# Altium PCB bg_pcb.PcbDoc (part 1 of 2)
Units mil, origin at the board's own origin, x right, y up, seen from the top; angles counter-clockwise.
Board outline 3622.05 x 3405.51 mil, 2 copper layers (Top Layer, Bottom Layer); 165 components, 111 nets, 496 pads, 392 vias.
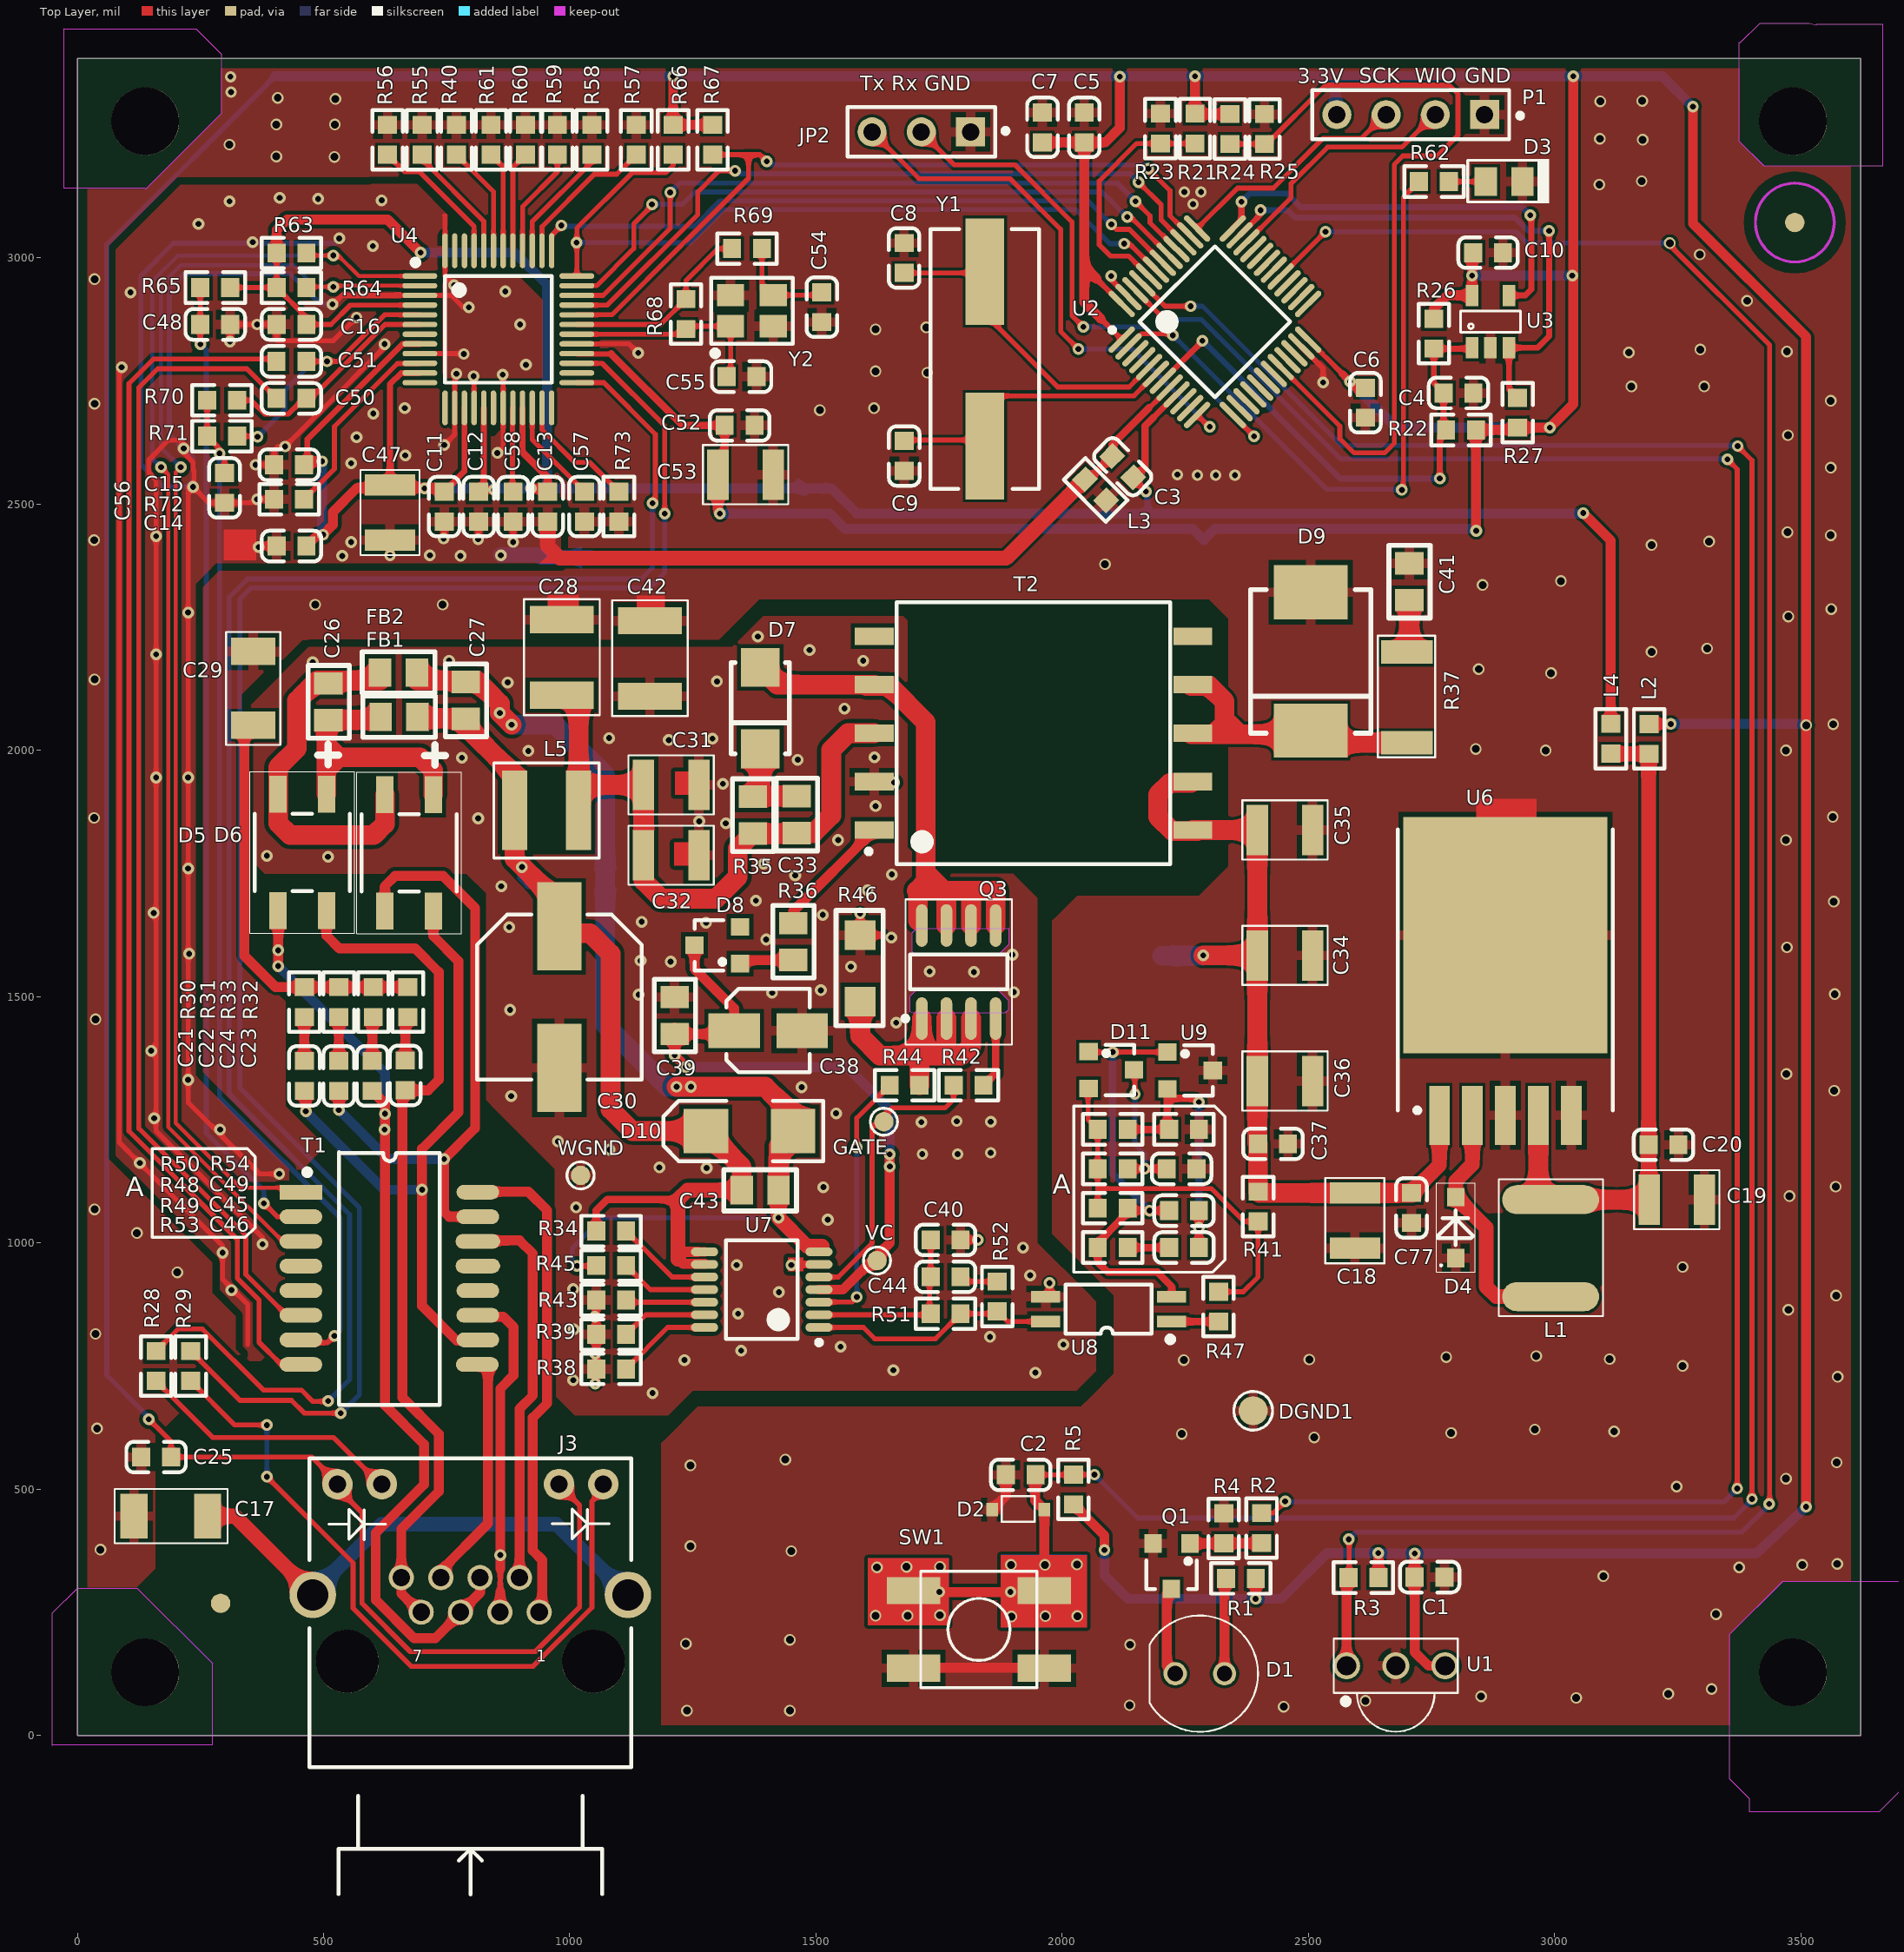
[diagram p0: Top Layer view]
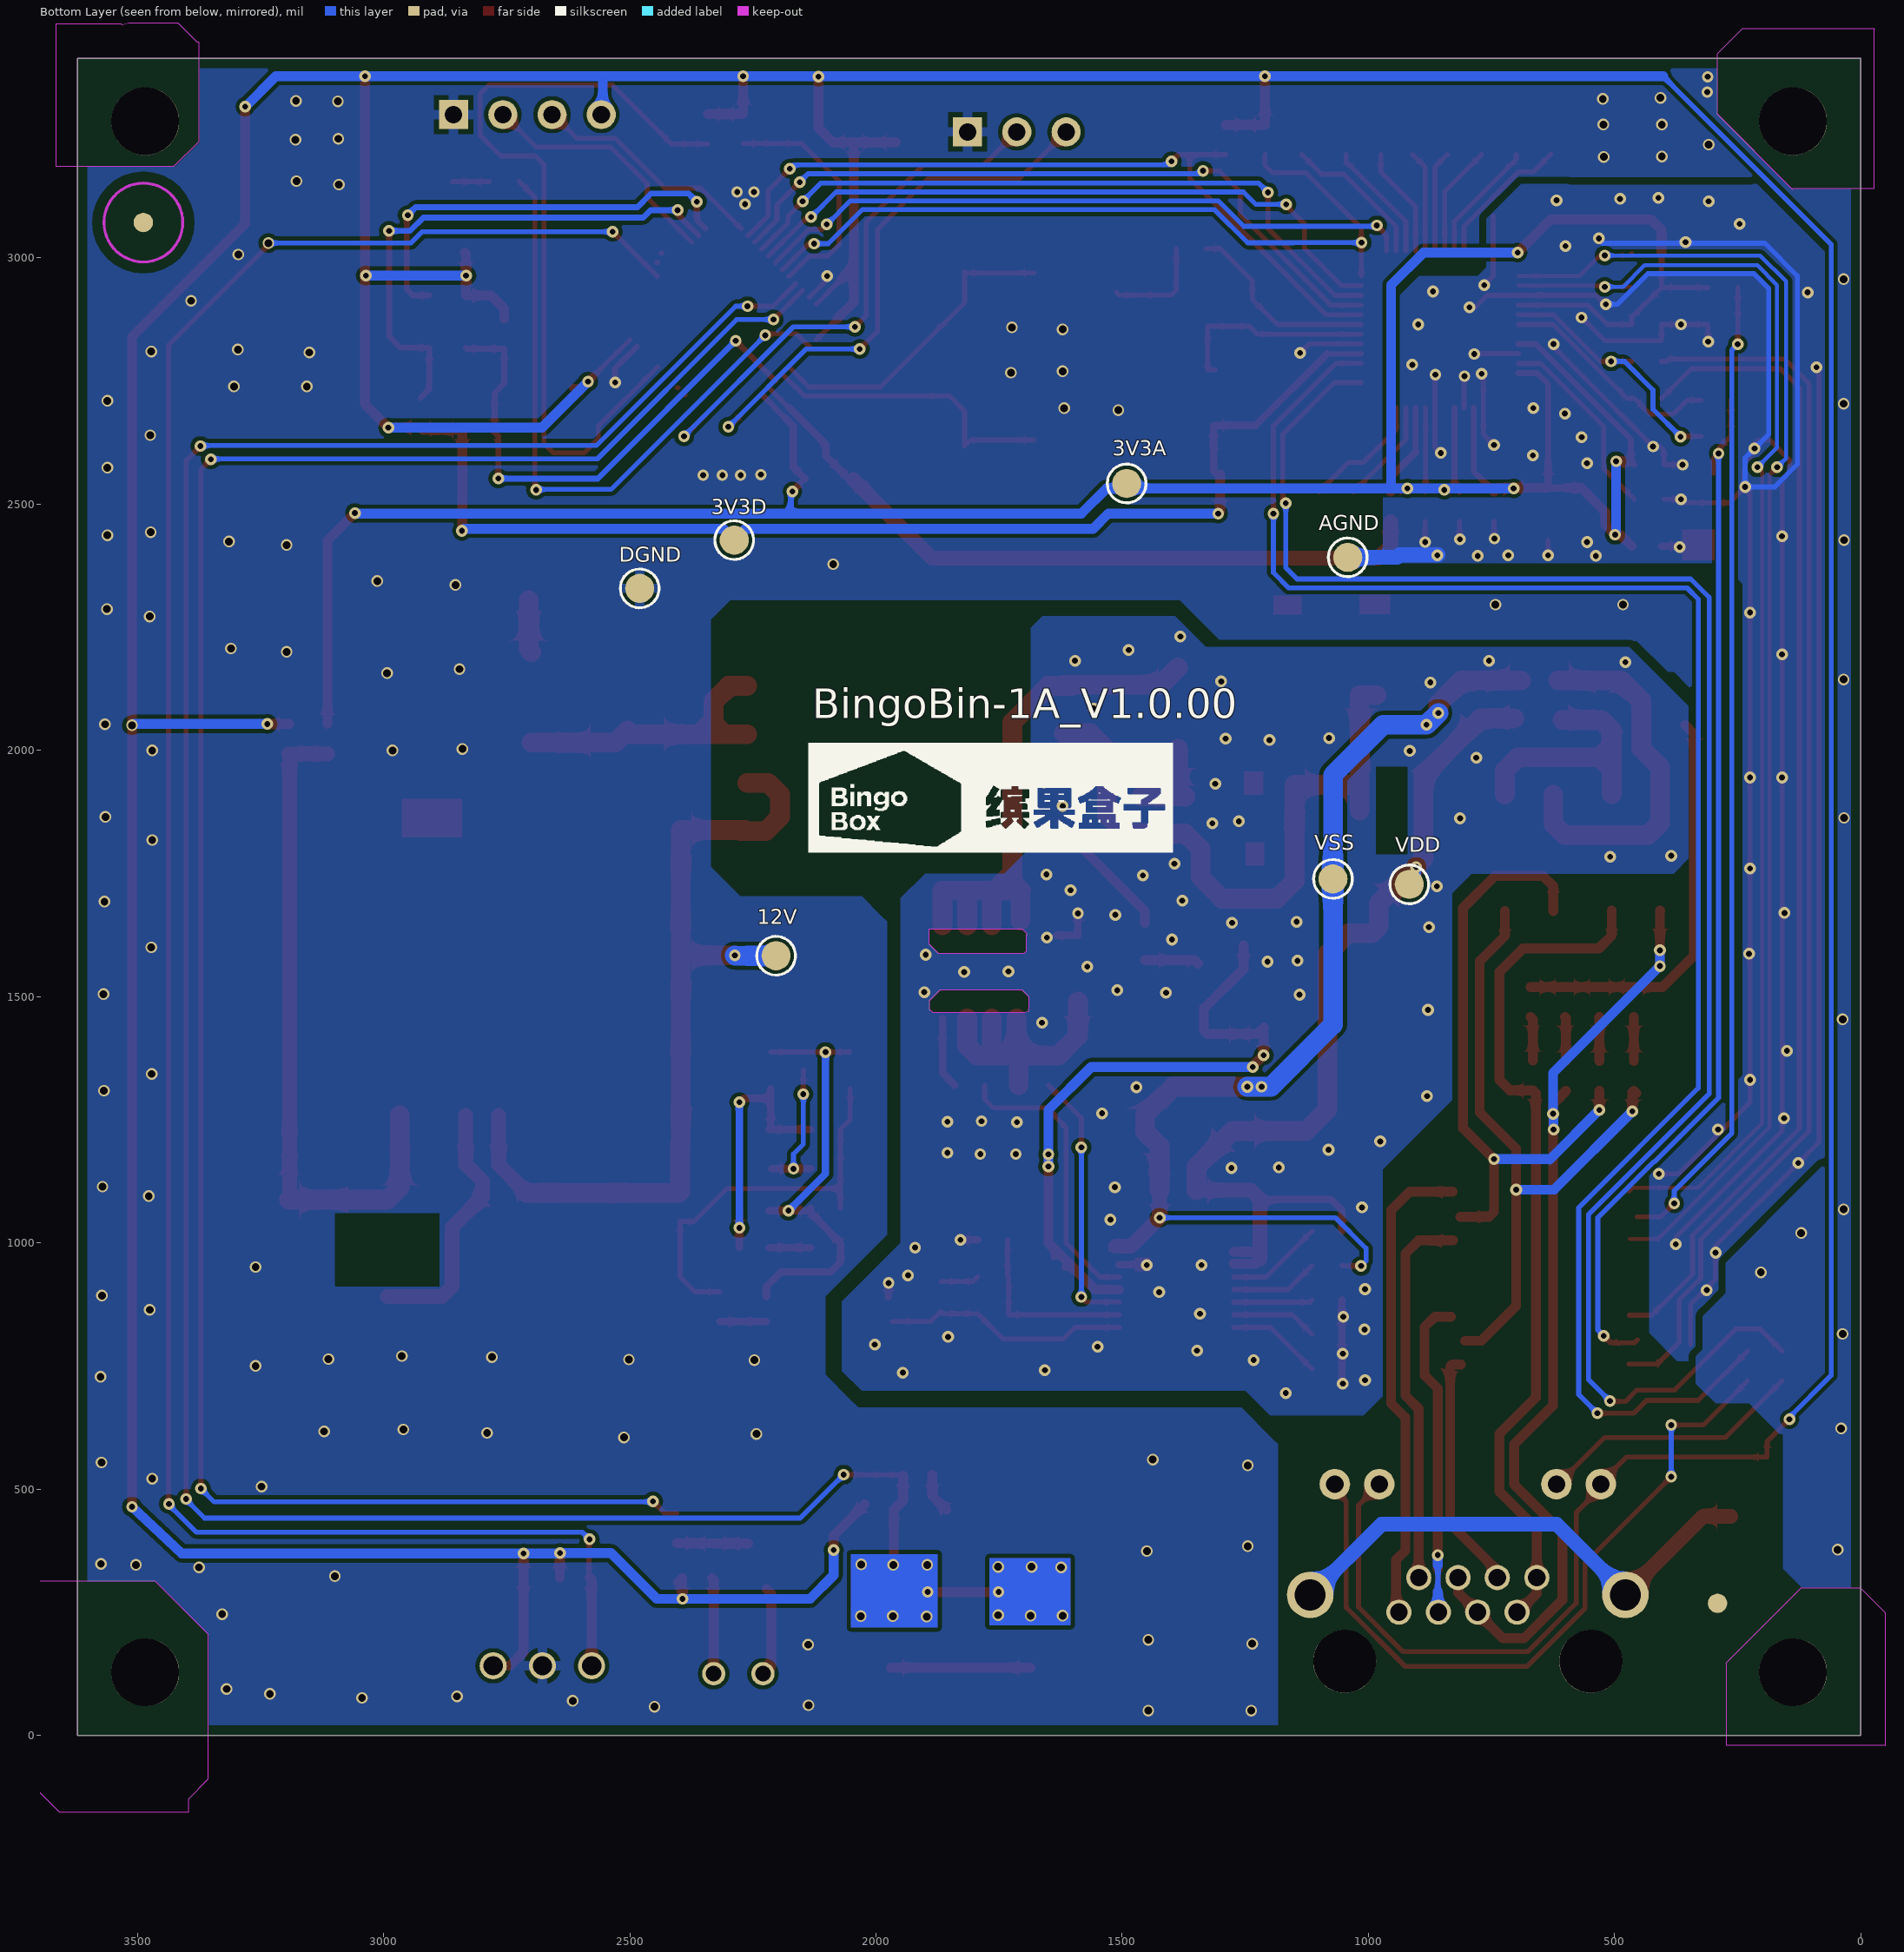
[diagram p1: Bottom Layer view, seen from below]
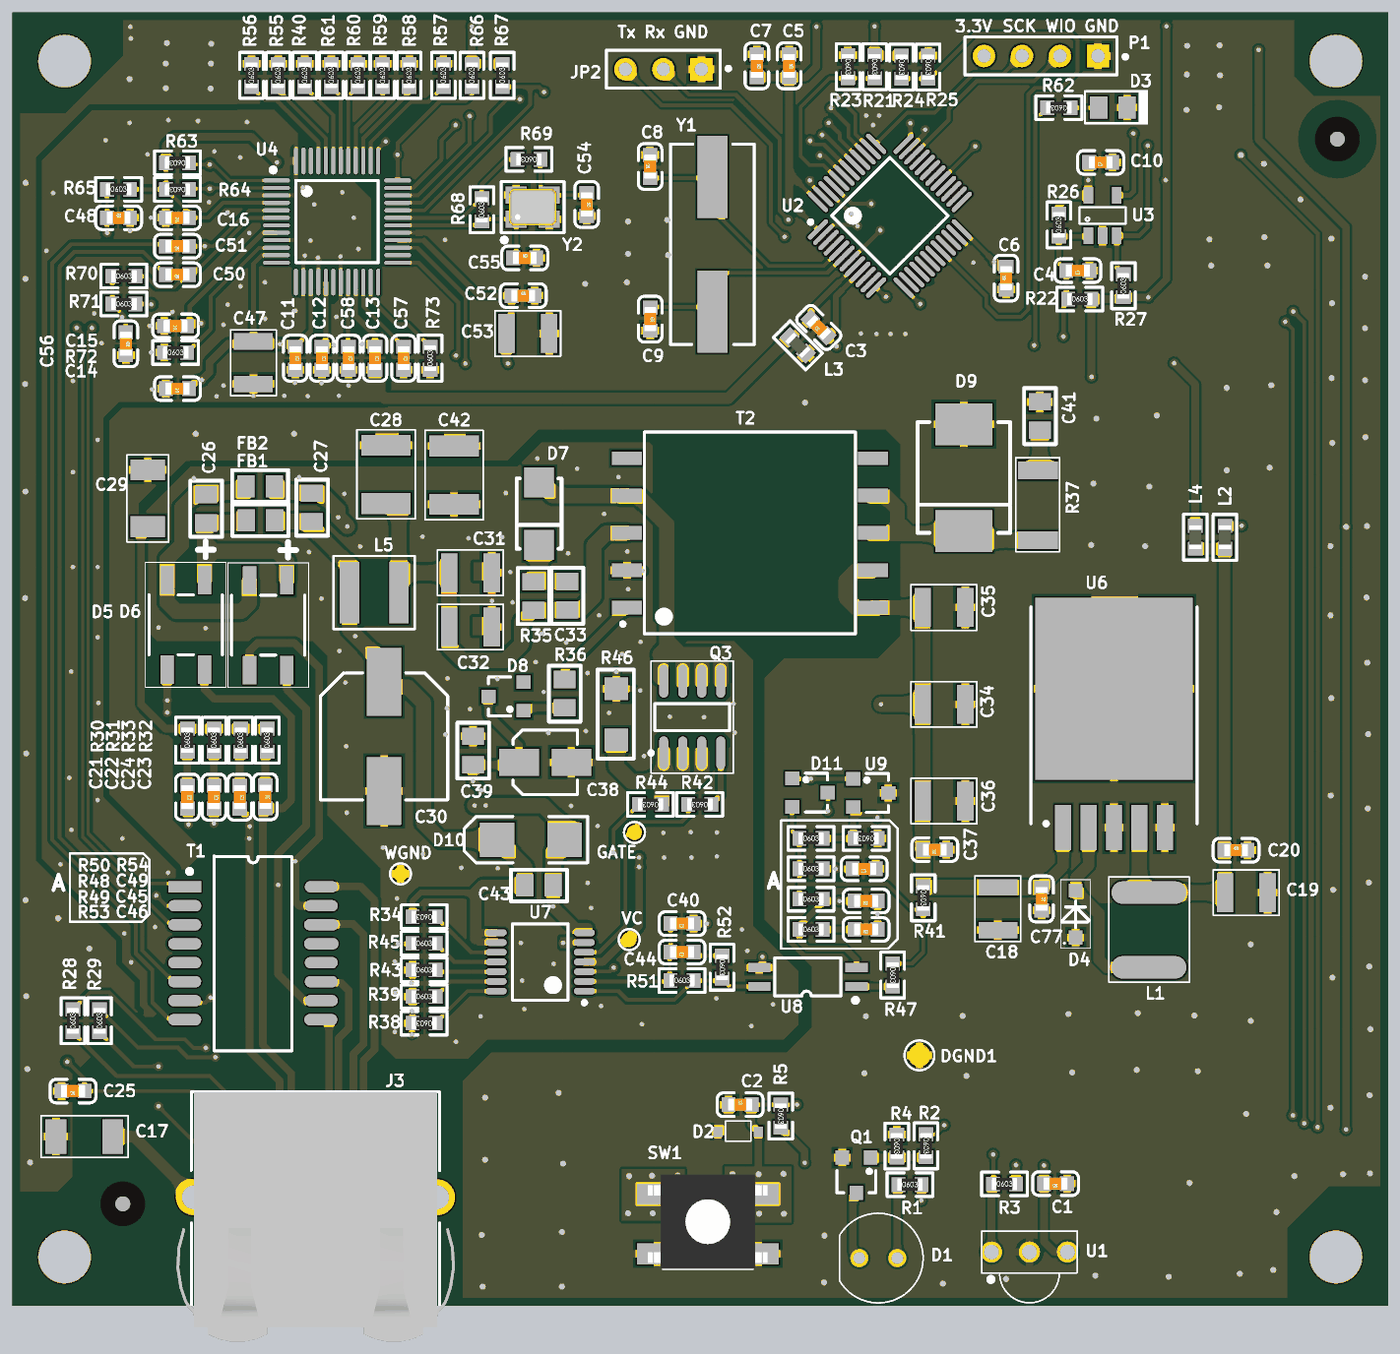
[diagram p3: 3D render of the assembled board from above, using the file's embedded part models]

## Layer stack, top to bottom
Top Solder: solder mask 0.4, Solder Resist, Dk 3.5
Top Layer: signal copper 1.4
Dielectric1: dielectric 12.6, FR-4, Dk 4.8
Bottom Layer: signal copper 1.4
Bottom Solder: solder mask 0.4, Solder Resist, Dk 3.5

## Board outline
0,0 3622.05,0 3622.05,3405.51 0,3405.51

## Design rules (kind name [scope] priority, off if disabled: settings)
Clearance Clearance_3 [InComponent('U4') OR InComponent('U2')] p1: gap=6
Clearance Clearance_2 [InPolygon vs InPolygon] p2: gap=15
Clearance Clearance_1 [InPolygon vs OnLayer('Keep-Out Layer')] p3: gap=20
Clearance [All] p4: gap=6
ComponentClearance [All] p1 off: gap=0 collisioncheckmode=3 verticalgap=10 showdistances=FALSE
DiffPairsRouting [All] p1: maxlimit=10 minlimit=5 mostfreqgap=10 toplayer_minwidth=15 toplayer_maxwidth=15 toplayer_prefwidth=15 bottomlayer_minwidth=15 bottomlayer_maxwidth=15 bottomlayer_prefwidth=15 maxuncoupledlength=500
HoleSize [All] p1 off: absolutevalues=TRUE maxlimit=100 minlimit=1 maxpercent=80.000 minpercent=20.000
HoleToHoleClearance [All] p1 off: gap=6 allowstackedmicrovias=TRUE
MinimumSolderMaskSliver [All] p1 off: minsoldermaskwidth=10
NetAntennae [All] p1 off: netantennaetolerance=0
PlaneClearance [InNet('AGND')] p1: clearance=20
PlaneConnect [All] p1: planeconnectstyle=Relief reliefexpansion=20 reliefentries=4 reliefconductorwidth=20 reliefairgap=10
PolygonConnect PolygonConnect_1 [IsVia or InNet('VCC12V_LED_2')or InNet('NetD14_2')or InNet('NetJ4_1') or InNet('VCC12V_LED_1')] p1: connectstyle=Direct reliefconductorwidth=10 reliefentries=4 polygonreliefangle="90 Angle" airgapwidth=10
PolygonConnect [All] p2: connectstyle=Relief reliefconductorwidth=20 reliefentries=4 polygonreliefangle="90 Angle" airgapwidth=10
RoutingVias [All] p1: holewidth=11.81 width=23.62 viastyle="Through Hole" minholewidth=11.81 minwidth=23.62 maxholewidth=11.81 maxwidth=23.62
SilkToSilkClearance [All] p1 off: silktosilkclearance=0
SilkToSolderMaskClearance [IsPad] p1 off: minsilkscreentomaskgap=0 clearancetoexposedcopper=TRUE
SolderMaskExpansion [All] p1: expansion=4
Width [All] p1: maxlimit=100 minlimit=6 preferedwidth=20
20 further rules are at their usual default settings.

## Classes and differential pairs
component class bg_sensor: C1 D1 Q1 R1 R2 R3 R4 U1
net class PHY: RX_N RX_P TX_N TX_P
net class MX: BI_DA_N BI_DA_P
net class DIFF_RJ45: BI_DA_N BI_DA_P BI_DB_N BI_DB_P RX_N RX_P TX_N TX_P
component class bg_power: 3V3A 3V3D 12V AGND C17 C18 C19 C20 C21 C22 C23 C24 C25 C26 C27 C28 C29 C30 C31 C32 C33 C34 C35 C36 C37 C38 C39 C40 C41 C42 C43 C44 C45 C46 C49 C77 D4 D5 D6 D7 D8 D9 D10 D11 DGND DGND1 FB1 FB2 GATE J3 L1 L2 L3 L4 L5 Q3 R28 R29 R30 R31 R32 R33 R34 R35 R36 R37 R38 R39 R41 R42 R43 R44 R45 R46 R47 R48 R49 R50 R51 R52 R53 R54 T1 T2 U6 U7 U8 U9 VC VDD VSS WGND
component class bg_MCU: C2 C3 C4 C5 C6 C7 C8 C9 C10 C11 C12 C13 C14 C15 C16 C47 C48 C50 C51 C52 C53 C54 C55 C56 C57 C58 D2 D3 JP2 P1 R5 R21 R22 R23 R24 R25 R26 R27 R40 R55 R56 R57 R58 R59 R60 R61 R62 R63 R64 R65 R66 R67 R68 R69 R70 R71 R72 R73 SW1 U2 U3 U4 Y1 Y2
differential pair TX: +TX_P -TX_N
differential pair RX: +RX_P -RX_N
differential pair BI_DB: +BI_DB_P -BI_DB_N
differential pair BI_DA: +BI_DA_P -BI_DA_N

## Components (designator, comment, footprint, x,y, rotation, side; value= is the part's Value field where it differs from the comment)
3V3A "?.0mm,SMD" TP_SMD_1_5MM 1491,2542 r90 bottom
3V3D "?.0mm,SMD" TP_SMD_1_5MM 2288,2427 r90 bottom
12V "?.0mm,SMD" TP_SMD_1_5MM 2203,1583 r90 bottom
AGND "?.0mm,SMD" TP_SMD_1_5MM 1042,2392 r90 bottom
BingoBin-1A_V1.0.00 "BingoBin_V1.0.00" bingo_logo 2139,1793 r180 bottom (schematic designator BingoBin-1A_V1.0.0)
C1 "0.1uF" C0603 2746.2,321.3 r180 top
C2 "0.1uF" C0603 1916,529 r0 top
C3 "0.1uF" C0603 2123,2576 r135 top
C4 "0.1uF" C0603 2805,2725.75 r180 top
C5 "0.1uF" C0603 2045,3265 r270 top
C6 "0.1uF" C0603 2616,2706 r90 top
C7 "0.1uF" C0603 1960,3265 r270 top
C8 "22pF" C0603 1679,3000 r90 top
C9 "22pF" C0603 1679.29,2597.99 r270 top
C10 "0.1uF" C0603 2865,3010.75 r180 top
C11 "0.1uF" C0603 745,2495 r270 top
C12 "0.1uF" C0603 815,2495 r270 top
C13 "0.1uF" C0603 955,2495 r270 top
C14 "0.1uF" C0603 435,2415 r180 top
C15 "0.1uF" C0603 430,2580 r180 top
C16 "0.1uF" C0603 435,2865 r180 top
C17 "1000pF/2KV" 1808 115,445 r0 top
C18 "22uF/16V" C1210 2594.5,1048.1 r270 top
C19 "22uF/16V" C1210 3245.4,1087.5 r0 top
C20 "0.1uF" C0603 3221.4,1199.3 r0 top
C21 "0.1uF" C0603 461,1339 r270 top
C22 "0.1uF" C0603 531,1339 r270 top
C23 "0.1uF" C0603 666,1340 r270 top
C24 "0.1uF" C0603 599,1339 r270 top
C25 "0.1uF" C0603 160,565 r180 top
C26 "1000pF/100V" 0805 510,2136 r270 top
C27 "1000pF/100V" 0805 789,2139 r270 top
C28 "2200pF/2KV" 1812 984,2112 r90 top
C29 "1000pF/2KV" 1808 357,2201 r270 top
C30 "22uF/100V" C8*10.2MM 979,1499 r270 top
C31 "2.2uF/100V" C1210 1209,1930 r180 top
C32 "2.2uF/100V" C1210 1209,1787 r180 top
C33 "0.1uF/100V" 0805 1461,1907 r270 top
C34 "22uF/16V" C1210 2455.47,1583.7 r180 top
C35 "22uF/16V" C1210 2455.47,1838.5 r180 top
C36 "22uF/16V" C1210 2455.47,1328.7 r180 top
C37 "1uF" C0603 2428.3,1200.9 r180 top
C38 "10uF/25V" C4*5.8 1403,1431 r0 top
C39 "0.22uF" 0805 1213,1499 r270 top
C40 "0.1uF" C0603 1763.28,1006.1 r180 top
C41 "680pF" 0805 2705,2380 r270 top
C42 "2200pF/2KV" 1812 1163,2110 r90 top
C43 "0.1uF/100V" 0805 1424,1107 r180 top
C44 "0.033uF" C0603 1763.28,931.1 r180 top
C45 "100pF" C0603 2247.6,1065.4 r180 top
C46 "0.01uF" C0603 2247.6,990.4 r180 top
C47 "22uF/16V" C1210 635,2480 r90 top
C48 "22nF" C0603 280,2865 r0 top
C49 "1uF" C0603 2242.6,1150.4 r180 top
C50 "6.8nF" C0603 434.69,2715 r180 top
C51 "6.8nF" C0603 434.69,2790 r180 top
C52 "0.1uF" C0603 1345,2660 r0 top
C53 "22uF/16V" C1210 1360,2560 r180 top
C54 "18pF" C0603 1512,2900 r270 top
C55 "18pF" C0603 1349,2759 r0 top
C56 "0.01uF" C0603 299,2533 r270 top
C57 "0.01uF" C0603 1030,2495 r270 top
C58 "4.7uF" C0603 885,2495 r270 top
C77 "0.1uF" C0603 2709.5,1070.9 r270 top
D1 "IR333C/H0/L10" LED 2279.7,125.1 r180 top
D2 "PESD5V0S1BA" SOD323 1964,458 r180 top
D3 "GLED" LED-0805 2860,3155 r180 top
D4 "1N5819" SOD123 2799.2,1031.1 r90 top
D5 "HD01" HD01 506,1911 r270 top
D6 "HD01" HD01 723,1910 r270 top
D7 "S1D-13-F" SMA 1442,1992 r90 top
D8 "BAS16" SOT-23 1346,1567 r90 top
D9 "B360" SMC 2630,2040 r90 top
D10 "SMAJ58A" SMB 1365,1227 r180 top
D11 "BAT54S" SOT-23 2053.6,1388.4 r270 top
DGND "?.0mm,SMD" TP_SMD_1_5MM 2480,2329 r180 bottom
DGND1 "?.0mm,SMD" TP_SMD_1_5MM 2388,659 r90 top
FB1 "220" 0805 616,2068 r0 top
FB2 "220" 0805 615,2158 r0 top